# Altium PCB fMAX_MB.PcbDoc (part 5 of 13)
Units mil, origin at the board's own origin, x right, y up, seen from the top; angles counter-clockwise.
Board outline 9175 x 6300 mil, 14 copper layers (TopLayer, Gnd1, MidLayer1, Power1, MidLayer4, Power2, MidLayer2, Power3, MidLayer3, Gnd3, MidLayer6, Gnd2, MidLayer5, BottomLayer); 679 components, 896 nets, 4133 pads, 2341 vias.
Unrouted connection lines stored in the file: 4.
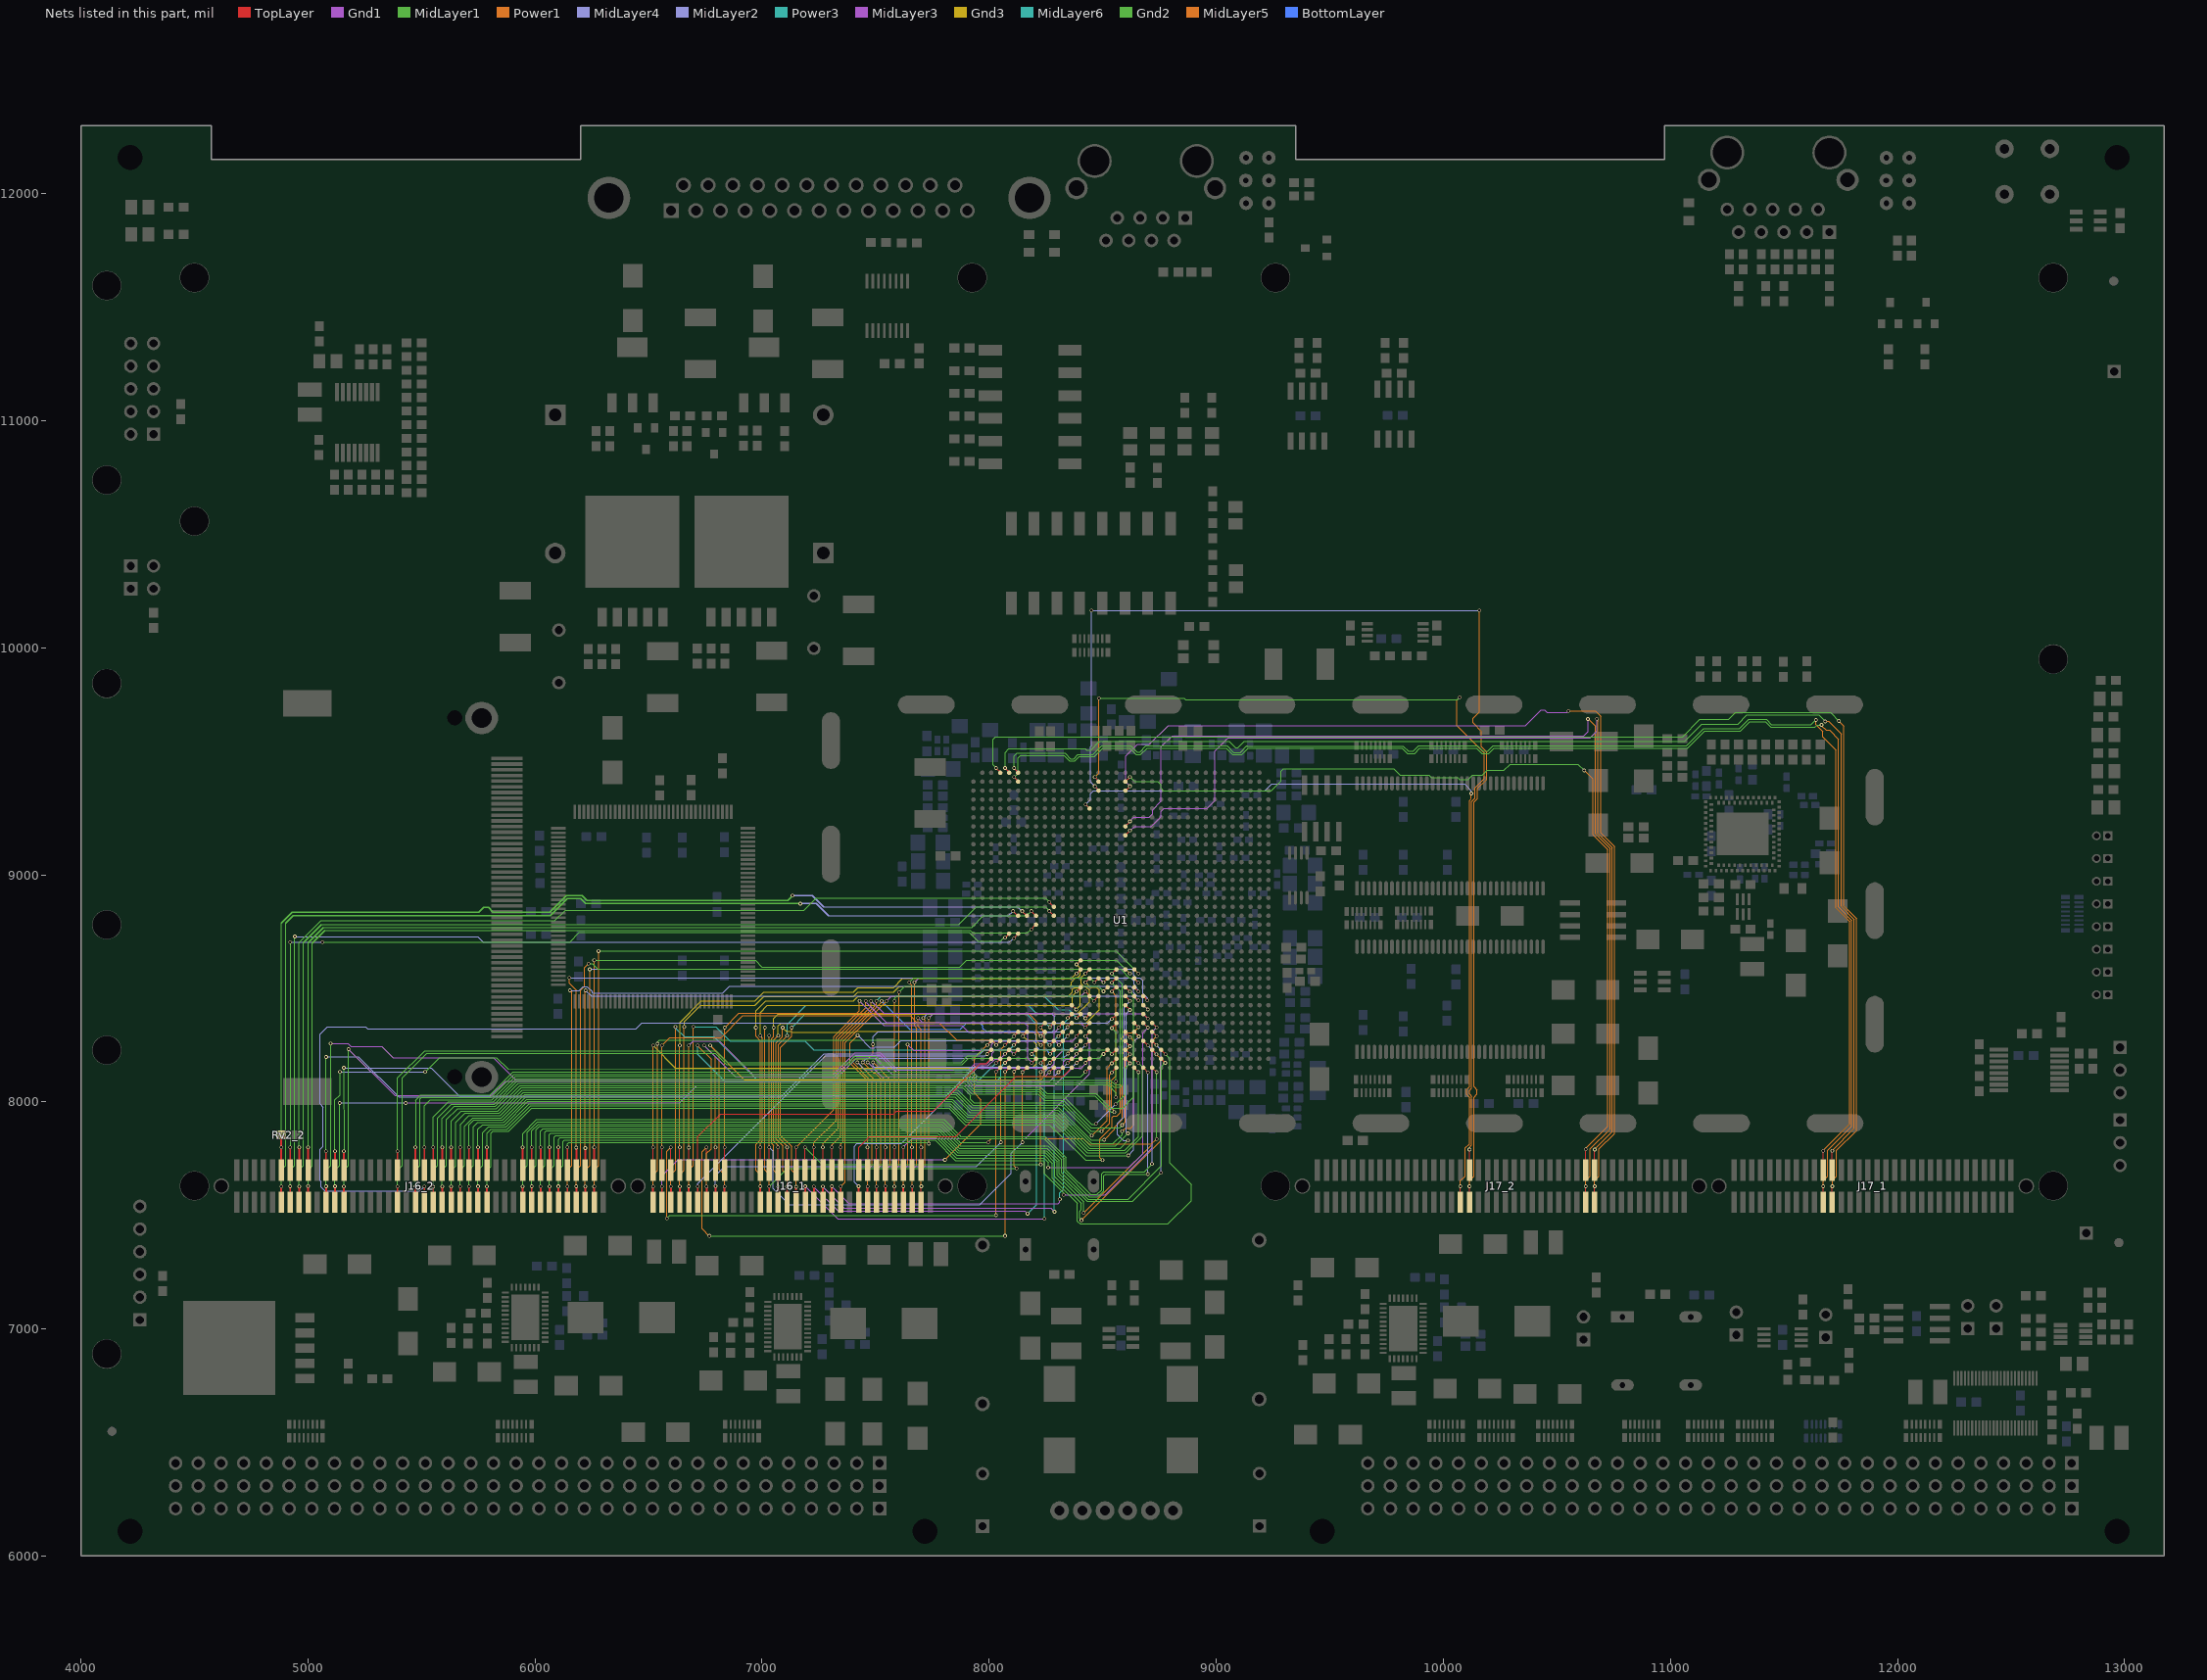
[diagram p17: the nets of this part, all layers, seen from the top]

## Via types
v1: diameter 16, hole 10, TopLayer to BottomLayer, tented both sides, 2192 vias
v2: diameter 36, hole 20, TopLayer to BottomLayer, tented both sides, 84 vias
v3: diameter 20, hole 10, TopLayer to BottomLayer, tented both sides, 61 vias
v4: diameter 160, hole 125, TopLayer to BottomLayer, tented both sides, 4 vias

## Nets (pads, with @x,y where several pads share a name; then routed paths per layer and width w, separated by ;. In a path a pad name is that pad's centre, name@x,y a point inside that pad or via, vN(x,y) a via of type N, cw(c..) or ccw(c..) an arc to the next point about the centre after c; other vN are vias at no path point) (continued)
M1_COMB1_DATA10: J16_2.59 U1.AB32 | length 4103
  TopLayer w5: v1@8384,8211 8402.13,8229.13 U1.AB32@8402.83,8229.13
  TopLayer w8: J16_2.59@5158.27,7558.27 v1(5158.27,7627.73)
  MidLayer1 w5: v1(5158.27,7627.73) 5158.27,7699.73 5179,7720.46 v1(5179,8232)
  MidLayer3 w5: v1(5179,8232) 5383.44,8027.56 5807.09,8027.56 5870.08,8090.55 8267.72,8090.55 8287.4,8110.24 8287.4,8137.8 8299.21,8149.61 8314.96,8149.61 8326.77,8161.42 8326.77,8177.17 8338.58,8188.98 8366.14,8188.98 8384.64,8207.48 v1(8384.64,8211.64)
M1_COMB1_DATA11: J16_2.60 U1.AB33 | length 3814.6
  TopLayer w5: v1(8386,8172) 8402.83,8188.83 U1.AB33@8402.83,8189.76
  TopLayer w8: J16_2.60@5158.27,7700 v1(5158.27,7783)
  MidLayer1 w5: v1(5158,8150) v1(5158.27,7783)
  MidLayer2 w5: v1(5158,8150) 5543,8150 5667,8026 7808.94,8026 7935.94,8153 8367,8153 v1(8386,8172)
M1_COMB1_DATA12: J16_2.61 U1.AA33 | length 3830.4
  TopLayer w5: v1(8425,8172) 8442.2,8189.2 U1.AA33@8442.2,8189.76
  TopLayer w8: J16_2.61@5118.9,7558.27 v1(5118.9,7627.9)
  MidLayer1 w5: v1(5118.9,7627.9) 5118.9,7698.9 5140,7720 v1(5140,7995)
  MidLayer2 w5: v1(5140,7995) v1(5431,7995)
  MidLayer3 w5: v1(5431,7995) 6636.73,7995 6712.6,8070.87 8287.4,8070.87 8366.14,8149.61 8405.51,8149.61 8425,8169.09 v1(8425,8172)
M1_COMB1_DATA13: J16_2.62 U1.AA34 | length 3817.5
  TopLayer w5: v1(8424,8132) 8442.2,8150.2 U1.AA34@8442.2,8150.39
  TopLayer w8: J16_2.62@5118.9,7700 v1(5118.9,7783)
  MidLayer1 w5: v1(5118.9,7783) 5118.9,8008.9 5141,8031 v1(5141,8132) ; v1@5516.84,8131.16 5579,8194 5830,8194 5881,8144 7844,8143 7851,8143 7916,8143 7948,8111 8403,8111 v1(8424,8132)
  MidLayer2 w5: v1(5141,8132) v1@5515.69,8132
  other v1: 5515.84,8132.16
M1_COMB1_DATA14: J16_2.63 U1.AB31 | length 4220.5
  TopLayer w5: v1@8384,8250 8402.5,8268.5 U1.AB31@8402.83,8268.5
  TopLayer w8: J16_2.63@5080,7558.27 v1(5080,7628)
  MidLayer1 w5: v1(5080,7628) 5080,7700 5100,7720 v1(5100,8257)
  MidLayer3 w5: v1(5100,8257) 5177,8257 5190,8244 5326,8244 5375.28,8194.72 5817.09,8194.72 5911.26,8100.55 7322.99,8100.55 7417.17,8194.72 7498.19,8194.72 7571.91,8121 7917.26,8121 7945.87,8149.61 8267.72,8149.61 8287.4,8169.29 8287.4,8188.98 8326.77,8228.35 8366.14,8228.35 8385,8247.2 v1(8385,8251)
M1_COMB1_DATA15: J16_2.64 U1.AA31 | length 4035.1
  TopLayer w5: v1(8425,8251) 8442.2,8268.2 U1.AA31@8442.2,8268.5
  TopLayer w8: J16_2.64@5079.53,7700 v1(5079.53,7783.01)
  MidLayer1 w5: v1(5079.53,7783.01) v1@5079.53,8197.47
  MidLayer4 w5: v1(5080,8198) 5224,8198 ; 5224,8197.43 5399.77,8021.65 7082.68,8021.65 7273.78,8212.76 7961.77,8212.76 7969.65,8220.63 7969.65,8221 7979.65,8231 8405,8231 v1(8425,8251)
M1_COMB1_S0: J16_2.47 U1.W32 | length 3778.3
  TopLayer w5: v1(8503,8211) 8520.94,8228.94 U1.W32@8520.94,8229.13
  TopLayer w8: J16_2.47@5394.49,7558.27 v1(5394.49,7627.49)
  MidLayer1 w5: v1(5394.49,7627.49) 5394.49,7699.49 5415,7720 5415,8106 5523,8214 6793,8214 6815,8192 6815,8191.89 6843.26,8163.63 7387.05,8163.63 7387.05,8165.59 7411.42,8189.96 7495.08,8189.96 7521.68,8163.36 7880.88,8163.36 7909.52,8192 8484,8192 v1(8503,8211)
M1_COMB1_S1: J16_2.48 U1.V32 | length 3702.9
  TopLayer w5: v1(8540,8210) 8559.13,8229.13 U1.V32@8560.32,8229.13
  TopLayer w8: J16_2.48@5394.49,7700 v1(5394.49,7783.01)
  MidLayer1 w5: v1(5394.49,7783.01) 5394.49,8105.49 5515.75,8224.41 6797.04,8224.1 6847.52,8173.63 7380.32,8173.63 7407.48,8200.79 7498.39,8200.79 7525.82,8173.36 7876.12,8173.36 7904.76,8202 7946.09,8202 7972.44,8228.35 8523.62,8228.35 8540,8211.97 v1(8540,8210)
M1_COMB2_DATA0: J16_2.29 U1.T33 | length 3749.3
  TopLayer w5: U1.T33@8639.06,8189.76 8639.06,8188.94 v1(8657,8171)
  TopLayer w8: J16_2.29@5748.82,7558.27 v1(5748.82,7627.82)
  MidLayer1 w5: v1(5748.82,7627.82) 5748.82,7699.82 5769,7720 5769,7864 5795,7890 5873,7890 5975,7992 7830.26,7992 7901.26,7921 8286,7921 8432,7775 8601,7775 8675,7849 8675,8153 v1(8657,8171)
M1_COMB2_DATA1: J16_2.30 U1.T34 | length 3565
  TopLayer w5: U1.T34@8639.06,8150.39 8639.06,8149.94 v1(8658,8131)
  TopLayer w8: J16_2.30@5748.82,7700 v1(5748.82,7799.82)
  MidLayer1 w5: v1(5748.82,7799.82) 5748.82,7878.82 5770,7900 5867,7900 5969,8002 7834.4,8002 7903.4,7933 8289,7933 8436,7786 8597,7786 8658,7847 v1(8658,8131)
M1_COMB2_DATA2: J16_2.31 U1.U26 | length 4074
  TopLayer w5: U1.U26@8599.69,8465.31 v1(8620,8445)
  TopLayer w8: J16_2.31@5709.45,7558.27 v1(5709.45,7627.55)
  MidLayer1 w5: v1(5709.45,7627.55) 5709.45,7699.55 5729,7719.1 5729,7891 5748,7910 5862,7910 5964,8012 7838.54,8012 7907.54,7943 8295.57,7943 8442.57,7796 8577,7796 v1(8611,7830)
  MidLayer2 w5: v1(8611,7830) 8591.26,7830 8564.96,7856.3 8564.96,7904.53 8584.58,7924.14 8585,7924.14 8594,7933.14 8594,8419 v1(8620,8445)
M1_COMB2_DATA3: J16_2.32 U1.U27 | length 3847.2
  TopLayer w5: U1.U27@8599.69,8425.98 8599.69,8425.31 v1(8620,8405)
  TopLayer w8: J16_2.32@5709.45,7700 v1(5709.45,7799.55)
  MidLayer1 w5: v1(5709.45,7799.55) 5709.45,7898.31 5731.14,7920 5857,7920 5959,8022 7848.54,8022 7848.54,8021.46 7899.54,7970.46 7899.54,7969.46 7916,7953 8299.72,7953 8446.72,7806 8556,7806 v1(8611,7861)
  MidLayer2 w5: v1(8611,7861) 8604,7868 8604,8389 v1(8620,8405)
M1_COMB2_DATA4: J16_2.33 U1.U30 | length 3904.7
  TopLayer w5: U1.U30@8599.69,8307.87 8599.69,8305.31 v1(8620,8285)
  TopLayer w8: J16_2.33@5670.08,7558.27 v1(5670.08,7626.92)
  MidLayer1 w5: v1(5670.08,7626.92) 5670.08,7699.08 5690,7719 5690,7893 5727,7930 5852,7930 5954,8032 7852.72,8032 7920,7964 8302.86,7964 8450.86,7816 8546.31,7816 8585.63,7855.31 v1(8585.63,7871.06)
  MidLayer5 w5: v1(8585.63,7871.06) 8599.41,7884.84 8622.05,7884.84 8637,7899.8 8637,8268 v1(8620,8285)
M1_COMB2_DATA5: J16_2.34 U1.U31 | length 3672.5
  TopLayer w5: U1.U31@8599.69,8268.5 8599.69,8265.31 v1(8620,8245)
  TopLayer w8: J16_2.34@5670.08,7700 v1(5670.08,7799.92)
  MidLayer1 w5: v1(5670.08,7799.92) 5670,7900 5710,7940 5847,7940 5949,8042 7856.86,8042 7923.86,7975 8306,7975 8448,7833 v1(8506,7833)
  MidLayer5 w5: v1(8506,7833) 8552,7879 8552,7888.61 8587,7923.61 8587,8212 v1(8620,8245)
M1_COMB2_DATA6: J16_2.35 U1.V33 | length 3687.2
  TopLayer w5: v1(8540,8170) 8540.55,8170 U1.V33@8560.32,8189.76
  TopLayer w8: J16_2.35@5630.71,7558.27 v1(5630.71,7627.29)
  MidLayer1 w5: v1(5630.71,7627.29) 5630.71,7698.29 5650,7717.58 5650,7909 5691,7950 5842,7950 5944,8052 7861,8052 7928,7985 8318,7985 v1(8452,7851)
  MidLayer5 w5: v1(8452,7851) 8520,7919 8520,8150 v1(8540,8170)
M1_COMB2_DATA7: J16_2.36 U1.V34 | length 3536.2
  TopLayer w5: v1@8540,8130.08 U1.V34@8560.32,8150.39
  TopLayer w8: J16_2.36@5630.71,7700 v1(5630.71,7799.71)
  MidLayer1 w5: v1(5630.71,7799.71) 5631,7916 5675,7960 5837,7960 5939,8062 7883.86,8062 7917,8028 7917,8011 7932,7996 8239.43,7996 8324,7996 8449,7871 v1(8495,7871)
  MidLayer5 w5: v1(8495,7871) 8530,7906 8530,8120 v1(8540,8130)
M1_COMB2_DATA8: J16_2.37 U1.U32 | length 3844.5
  TopLayer w5: U1.U32@8599.69,8229.13 8600.87,8229.13 v1(8620,8210)
  TopLayer w8: J16_2.37@5591.34,7558.27 v1(5591.34,7627.66)
  MidLayer1 w5: v1(5591.34,7627.66) 5591.34,7699.66 5611,7719.32 5611,7922 5659,7970 5831,7970 5933,8072 7888,8072 7925,8035 8214.57,8035 8242.57,8007 8328.63,8007 8448.63,7887 8574.99,7887 v1(8585.63,7897.64)
  MidLayer5 w5: v1(8585.63,7897.64) 8599,7911.01 8599,8189 v1(8620,8210)
M1_COMB2_DATA9: J16_2.38 U1.U33 | length 3603.1
  TopLayer w5: U1.U33@8599.69,8189.76 8600.24,8189.76 v1(8620,8170)
  TopLayer w8: J16_2.38@5591.34,7700 v1(5591.34,7799.66)
  MidLayer1 w5: 5591,7926 5645,7980 5826,7980 5928,8082 7892.15,8082 7929.15,8045 8218.72,8045 8246.72,8017 8333.39,8017 8449.8,7900.59 8467.59,7900.59 v1(8470,7903) ; v1(5591.34,7799.66) 5591.34,7925.66 ; v1(8556,7989) 8600,8033 8600,8150 v1(8620,8170)
  MidLayer4 w5: v1(8470,7903) v1(8556,7989)
M1_COMB2_DATA10: J16_2.39 U1.V25 | length 4061.8
  TopLayer w5: v1(8539.67,8485.89) 8558.5,8504.72 U1.V25@8560.32,8504.72
  TopLayer w8: J16_2.39@5551.97,7558.27 v1(5551.97,7626.03)
  MidLayer1 w5: v1(5551.97,7626.03) 5551.97,7699.97 5571,7719 5571,7930 5631,7990 5821,7990 5923,8092 7896.29,8092 7933.29,8055 8222.86,8055 8250.86,8027 8465,8027 8524,7968 8537,7955 v1(8551,7955)
  MidLayer5 w5: v1(8539.67,8485.89) 8540.11,8485.89 8559,8467 8559,8114 8540,8095 8540,7975 v1(8551,7955)
M1_COMB2_DATA11: J16_2.40 U1.U25 | length 3960.3
  TopLayer w5: U1.U25@8599.69,8504.72 8600.28,8504.72 v1(8620,8485)
  TopLayer w8: J16_2.40@5551.97,7700 v1(5551.97,7799.97)
  MidLayer1 w5: v1(5551.97,7799.97) 5552,7933 5619,8000 5816,8000 5918,8102 7900.43,8102 7937.43,8065 8227,8065 8255,8037 8471,8037 8535,7973 8588,7973 8637,8022 8637,8468 v1(8620,8485)
M1_COMB2_DATA12: J16_2.41 U1.V28 | length 4779.7
  TopLayer w5: v1(8540,8365) 8560.32,8385.32 U1.V28@8560.32,8386.61
  TopLayer w8: J16_2.41@5512.6,7558.27 v1(5512.6,7627.4)
  MidLayer2 w5: v1(5512.6,7627.4) 5492.2,7607 5075,7607 5058,7624 5058,7648 5053,7653 5053,7791 5067,7805 5067,7977 5053,7991 5053,8299 5085,8331 5253,8331 5262,8322 6445,8322 6470,8347 8522,8347 v1(8540,8365)
M1_COMB2_DATA13: J16_2.42 U1.V29 | length 3776.5
  TopLayer w5: v1(8540,8325) 8560.32,8345.32 U1.V29@8560.32,8347.24
  TopLayer w8: J16_2.42@5512.6,7700 v1(5512.6,7799.6)
  MidLayer1 w5: v1(5512.6,7799.6) 5512.6,7983.6 5539,8010 5811,8010 5913,8112 7904.57,8112 7941.57,8075 8524,8075 8559,8040 v1(8559,8020) ; v1(8540,8325) 8559,8306 v1(8559,8091)
  MidLayer5 w5: v1(8559,8020) v1(8559,8091)
M1_COMB2_DATA14: J16_2.43 U1.V23 | length 4167
  TopLayer w5: v1(8540,8565) 8558.46,8583.46 U1.V23@8560.32,8583.46
  TopLayer w8: J16_2.43@5473.23,7558.27 v1(5473.23,7627.23)
  MidLayer1 w5: v1(5473.23,7627.23) 5473.23,7699.77 5493,7719.54 5493,8012.86 5500.14,8020 5806,8020 5908,8122 7908.72,8122 7945.72,8085 8528.86,8085 8549.33,8064.53 8575.53,8064.53 8587,8076 8587,8518 v1(8540,8565)
M1_COMB2_DATA15: J16_2.44 U1.V24 | length 3976.4
  TopLayer w5: v1(8540,8525) 8559.09,8544.09 U1.V24@8560.32,8544.09
  TopLayer w8: J16_2.44@5473.23,7700 v1(5473.23,7799.77)
  MidLayer1 w5: v1(5473.23,7799.77) 5473,8007 5496,8030 5801,8030 5903,8132 7912.86,8132 7949.86,8095 8533,8095 8553,8075 8571,8075 8577,8081 8577,8488 v1(8540,8525)
M1_COMB2_S0: J16_2.27 U1.T29 | length 3851.6
  TopLayer w5: U1.T29@8639.06,8347.24 8639.06,8346.94 v1(8657,8329)
  TopLayer w8: J16_2.27@5788.19,7558.27 v1(5788.19,7627.81)
  MidLayer1 w5: v1(5788.19,7627.81) 5788.19,7698.81 5806,7716.62 5806,7862 5814,7870 5883,7870 5985,7972 7821.97,7972 7893.97,7900 8266,7900 8321,7845 8424,7744 v1(8499,7744)
  MidLayer5 w5: v1(8499,7744) 8488,7755 8488,7837 8508.8,7857.94 8542,7891.14 8542,7931 8548,7937 8562,7937 8577,7952 8577,8274 8607,8304 8632,8304 v1(8657,8329)
M1_COMB2_S1: J16_2.28 U1.T30 | length 3697.9
  TopLayer w5: U1.T30@8639.06,8307.87 U1.T30@8639.06,8307.87 v1(8659,8288)
  TopLayer w8: J16_2.28@5788.19,7700 v1(5788.19,7799.81)
  MidLayer1 w5: v1(5788.19,7799.81) 5788.19,7862.19 5806,7880 5878,7880 5980,7982 7826.12,7982 7897.12,7911 8280,7911 8336,7855 8426,7764 v1(8612,7764)
  MidLayer2 w5: v1(8612,7764) 8637,7789 8637,8266 v1(8659,8288)
M1_COMB3_DATA0: J16_1.23 U1.AC28 | length 1962.8
  TopLayer w5: v1(8346,8369) 8363.46,8386.46 U1.AC28@8363.46,8386.61
  TopLayer w8: J16_1.23@7306.93,7558.27 v1(7306.93,7627.93)
  MidLayer3 w5: v1(7306.93,7627.93) 7306.93,7627.07 7381.89,7551.18 8303.15,7551.18 8311.02,7559.06 v1(8311.02,7570.87)
  MidLayer6 w5: v1@8311.02,7566.93 8311.02,7598.43 8326.77,7614.17 8326.77,8346.46 8346,8365.68 v1(8346,8369)
M1_COMB3_DATA1: J16_1.24 U1.AB28 | length 1778.8
  TopLayer w5: J16_1.24@7306.93,7700 v1(7306.93,7799.93) ; v1(8385,8369) 8402.61,8386.61 U1.AB28@8402.83,8386.61
  MidLayer5 w5: v1(7306.93,7799.93) 7306.93,7809.88 7346,7848.95 7346,8272.18 7503.94,8430.12 v1@7503.94,8442.91
  MidLayer6 w5: v1(7503.94,8444.88) 7523.62,8464.57 8244.09,8464.57 8303.15,8405.51 8350.39,8405.51 v1@8385.83,8370.08
M1_COMB3_DATA2: J16_1.25 U1.AD30 | length 1943.8
  TopLayer w5: v1(8305,8289) 8323.87,8307.87 U1.AD30@8324.09,8307.87
  TopLayer w8: J16_1.25@7267.56,7558.27 v1(7267.56,7627.44)
  MidLayer3 w5: v1(7267.56,7627.44) 7267.56,7625.44 7362.2,7531.5 8271.65,7531.5 v1(8287.4,7515.75)
  MidLayer6 w5: v1(8287.4,7515.75) 8287.4,8271.65 8304.75,8289 v1(8305,8289)
M1_COMB3_DATA3: J16_1.26 U1.AD31 | length 1827.5
  TopLayer w5: J16_1.26@7267.56,7700 v1(7267.56,7799.56) ; v1(8307,8251) 8324.09,8268.09 U1.AD31@8324.09,8268.5
  Gnd1 w5: v1(7480.31,8444.88) 7535.43,8389.76 8275.59,8389.76 8287.4,8377.95 8287.4,8271.65 8307,8252.06 v1(8307,8251)
  MidLayer5 w5: v1(7267.56,7799.56) 7267.56,7816.24 7336,7884.69 7336,8276.94 7480.31,8421.26 v1(7480.31,8444.88)
M1_COMB3_DATA4: J16_1.27 U1.AG32 | length 1815.2
  TopLayer w5: v1(8188,8211) 8205.98,8228.98 U1.AG32@8205.98,8229.13
  TopLayer w8: J16_1.27@7228.19,7558.27 v1(7228.19,7627.19)
  MidLayer3 w5: v1(7228.19,7627.19) 7228.19,7625.81 7334.65,7519.69 8157.48,7519.69 v1(8169.29,7507.87)
  MidLayer6 w5: v1(8169.29,7507.87) 8208.66,7547.24 8208.66,8192.91 8190.57,8211 v1(8188,8211)
M1_COMB3_DATA5: J16_1.28 U1.AG33 | length 1797.8
  TopLayer w5: J16_1.28@7228.19,7700 v1(7228.19,7799.81) ; v1(8187,8171) 8205.76,8189.76 U1.AG33@8205.98,8189.76
  Gnd1 w5: v1(7456.69,8444.88) 7456.69,8440.94 7547.24,8350.39 8153.54,8350.39 8169.29,8334.65 8169.29,8192.91 8187,8175.2 v1(8187,8171)
  MidLayer5 w5: v1(7228.19,7799.81) 7228.19,7820.34 7326,7918.15 7326,8282.69 7456.69,8413.39 v1(7456.69,8444.88)
M1_COMB3_DATA6: J16_1.29 U1.AF33 | length 1904.3
  TopLayer w5: v1(8227,8171) 8245.35,8189.35 U1.AF33@8245.35,8189.76
  TopLayer w8: J16_1.29@7190,7558.27 v1(7190,7628)
  MidLayer3 w5: v1(7190,7628) 7190,7627 7333,7484 v1(8244.09,7484.25)
  MidLayer6 w5: v1(8227,8171) 8227,8166.7 8244.09,8149.61 v1(8244.09,7484.25)
M1_COMB3_DATA7: J16_1.30 U1.AF34 | length 1602.7
  TopLayer w5: J16_1.30@7188.82,7700 v1@7188.82,7799.18 ; v1(8227,8132) U1.AF34@8245.35,8150.39
  MidLayer1 w5: v1(7189,7800) 7265,7724 v1(8227,7724)
  MidLayer5 w5: v1(8227,7724) v1(8227,8132)
M1_COMB3_DATA8: J16_1.31 U1.AE29 | length 2027.5
  TopLayer w5: v1(8267,8329) 8284.72,8346.72 U1.AE29@8284.72,8347.24
  TopLayer w8: J16_1.31@7149.45,7558.27 v1(7149.45,7626.45)
  MidLayer5 w5: v1(7129.92,8326.77) 7129.92,8288.39 7081.34,8239.8 7081.34,7851.73 7130,7803.07 7130,7698 7149.45,7678.55 v1(7149.45,7626.45)
  MidLayer6 w5: v1(7129.92,8326.77) 7188.98,8385.83 8165.35,8385.83 8204.72,8346.46 8249.02,8346.46 8266.47,8329 v1(8267,8329)
M1_COMB3_DATA9: J16_1.32 U1.AD29 | length 1833
  TopLayer w5: J16_1.32@7149.45,7700 v1(7149.45,7799.45) ; v1@8305,8328 8324.09,8347.09 U1.AD29@8324.09,8347.24
  MidLayer3 w5: v1(7429.13,8444.88) 7537.02,8337 7878.55,8337 7908.46,8307.09 8288.39,8307.09 8305.42,8324.12 v1(8305.42,8328.42)
  MidLayer5 w5: v1(7149.45,7799.45) 7150.05,7799.45 7316,7965.39 7316,8287.46 7429.13,8400.59 v1(7429.13,8444.88)
M1_COMB3_DATA10: J16_1.33 U1.AF31 | length 2014.2
  TopLayer w5: v1(8227,8250) 8245.35,8268.35 U1.AF31@8245.35,8268.5
  TopLayer w8: J16_1.33@7110.08,7558.27 v1(7110.08,7627.08)
  MidLayer5 w5: v1(7090.55,8326.77) 7090.55,8287.4 7061.34,8258.19 7061.34,7836.3 7091,7806.64 7091,7696 7110.08,7676.92 v1(7110.08,7627.08)
  Gnd3 w5: v1(7090.55,8326.77) 7106.3,8311.02 7127.09,8311.02 7131.03,8307.09 7409.45,8307.09 7413.39,8311.02 8062.99,8311.02 8066.93,8307.09 8196.85,8307.09 8208.66,8295.28 8208.66,8268.34 v1(8227,8250)
M1_COMB3_DATA11: J16_1.34 U1.AE31 | length 2097
  TopLayer w5: J16_1.34@7110.08,7700 v1(7110.08,7799.92) ; v1(8266,8250) 8284.5,8268.5 U1.AE31@8284.72,8268.5
  MidLayer5 w5: v1@7110,8290 v1@7110.08,8289.92 ; v1(7110.08,7799.92) 7110.08,7803.31 7071.34,7842.05 7071.34,8252.44 v1(7110.24,8291.34)
  MidLayer6 w5: v1(7110.24,8291.34) 7110.24,8341.54 7193.9,8425.2 8173.23,8425.2 8211.61,8386.81 8276.57,8386.81 8288.39,8375 8288.39,8319.88 8275.59,8307.09 8256.89,8307.09 8244.35,8294.54 8244.35,8271.65 v1(8266,8250)
M1_COMB3_DATA12: J16_1.35 U1.AA23 | length 2421.6
  TopLayer w5: v1(8424,8565) 8442.2,8583.2 U1.AA23@8442.2,8583.46
  TopLayer w8: J16_1.35@7070.71,7558.27 v1(7070.71,7627.29)
  MidLayer5 w5: v1(7051.18,8326.77) 7051.18,8287.4 7041.34,8277.56 7041.34,7817.91 7051,7808.25 7051,7699 7070.71,7679.29 v1(7070.71,7627.29)
  Gnd3 w5: v1(7051.18,8326.77) 7051.18,8366.14 7070.87,8385.83 8385.83,8385.83 8440.94,8440.94 8440.94,8492.13 8425.2,8507.87 8417.32,8507.87 8405.51,8519.68 8405.51,8547.24 ; 8406.24,8547.24 v1(8424,8565)
M1_COMB3_DATA13: J16_1.36 U1.AA24 | length 2280.1
  TopLayer w5: J16_1.36@7070.71,7700 v1(7070.71,7799.71) ; v1(8424,8526) 8442.09,8544.09 U1.AA24@8442.2,8544.09
  MidLayer5 w5: v1(7070.71,7799.71) 7070.71,7808.23 7051.34,7827.6 7051.34,8271.81 v1(7070.87,8291.34)
  Gnd3 w5: v1(7070.87,8291.34) 7070.87,8334.65 7082.68,8346.46 8425.2,8346.46 8484.25,8405.51 8484.25,8492.13 8471.26,8505.12 8444.88,8505.12 v1(8424,8526)
M1_COMB3_DATA14: J16_1.37 U1.AJ34 | length 2356.4
  TopLayer w5: v1(8110,8133) 8127.24,8150.24 U1.AJ34@8127.24,8150.39
  TopLayer w8: J16_1.37@7031.34,7558.27 v1(7031.34,7627.66)
  MidLayer1 w5: v1(7031.34,7627.66) 7110.68,7707 v1(8121,7707)
  MidLayer5 w5: v1@7012,8329 7012,7700 7031.34,7680.66 v1(7031.34,7627.66) ; v1(8110,8133) 8110,7718 v1(8121,7707)
  other v1: 7011.81,8326.77
M1_COMB3_DATA15: J16_1.38 U1.AH34 | length 2401.4
  TopLayer w5: J16_1.38@7031.34,7700 v1(7031.34,7799.66) ; v1(8147,8131) 8166.39,8150.39 U1.AH34@8166.61,8150.39
  MidLayer2 w5: v1(7031.34,7799.66) 7049,7782 ; 7049.21,7780.51 7049.21,7619.09 7120.08,7548.23 7958.66,7548.23 8096.46,7686.02 8096.46,7772.79 v1@8145.67,7822
  MidLayer5 w5: v1(7031.34,7799.66) v1@7031.34,8289.34 ; v1@8147,7823 v1(8147,8131)
  other v1: 8147,7822 7031.5,8291.34
M1_COMB3_S0: J16_1.39 U1.AC27 | length 2470.7
  TopLayer w5: U1.AC27@8363.46,8425.98 8363.46,8425.46 v1(8383,8407)
  TopLayer w8: J16_1.39@6991.97,7558.27 v1(6991.97,7627.97)
  MidLayer5 w5: v1(6972.44,8326.77) 6972.44,8288.39 6992,8268.83 6992,7831.57 6973,7812.57 6973,7698 6991.97,7679.03 v1(6991.97,7627.97)
  Gnd3 w5: v1(6972.44,8326.77) 6972.44,8401.57 7015.75,8444.88 7401.57,8444.88 7421.26,8464.57 8346.46,8464.57 8366.14,8484.25 8366.14,8496.06 8374.02,8503.94 8389.76,8503.94 8401.57,8492.13 8401.57,8425.57 v1(8383,8407)
M1_COMB3_S1: J16_1.40 U1.AB25 | length 2176.8
  TopLayer w5: J16_1.40@6991.97,7700 v1(6991.97,7799.97) ; v1(8385,8486) 8402.83,8503.83 U1.AB25@8402.83,8504.72
  MidLayer5 w5: v1(6991.97,7799.97) 6991.97,7816.77 7002,7826.8 7002,8281.47 v1(6992.13,8291.34)
  Gnd3 w5: v1(6992.13,8291.34) 6992.13,8393.7 7023.62,8425.2 8354.33,8425.2 8366.14,8437.01 8366.14,8467.14 v1(8385,8486)
M1_COMB4_DATA0: J16_1.3 U1.AA28 | length 1577.4
  TopLayer w5: J16_1.3@7700.63,7558.27 v1(7701,7628) ; v1(8424,8368) 8442.2,8386.2 U1.AA28@8442.2,8386.61
  MidLayer2 w5: v1(7710,8369) 7729,8388 8404,8388 v1(8424,8368)
  MidLayer5 w5: v1(7701,7628) 7701,7700 7718,7717 7718,8353 7718,8361 v1(7710,8369)
M1_COMB4_DATA1: J16_1.4 U1.AA29 | length 1455
  TopLayer w5: J16_1.4@7700.63,7700 v1(7700.63,7799.63) ; v1(8423,8328) U1.AA29@8442.2,8347.24
  MidLayer3 w5: v1(7687,8369) 7709,8347 8404,8347 v1(8423,8328)
  MidLayer5 w5: v1(7687,8369) 7687,8333 7691.74,8328.26 7692,8328.26 7700.63,8319.63 v1(7700.63,7799.63)
M1_COMB4_DATA2: J16_1.5 U1.W24 | length 1854.1
  TopLayer w5: v1(8503,8526) 8520.94,8543.94 U1.W24@8520.94,8544.09
  TopLayer w8: J16_1.5@7661.26,7558.27 v1(7661.26,7627.74)
  MidLayer3 w5: v1(7671,8526) 7691,8546 8483,8546 v1(8503,8526)
  MidLayer5 w5: v1(7661.26,7627.74) 7661.26,7699.74 7681,7719.48 7681,8324.86 7671,8334.86 v1(7671,8526)
M1_COMB4_DATA3: J16_1.6 U1.Y24 | length 1688.6
  TopLayer w5: J16_1.6@7660,7700 v1(7660,7800) ; v1(8463,8526) 8481.09,8544.09 U1.Y24@8481.57,8544.09
  MidLayer1 w5: v1(7648,8526) 7668,8546 8443,8546 v1(8463,8526)
  MidLayer5 w5: v1(7648,8526) 7660,8514 v1(7660,7800)
M1_COMB4_DATA4: J16_1.7 U1.AB30 | length 1517.2
  TopLayer w5: v1(8384,8289) U1.AB30@8402.83,8307.83
  TopLayer w8: J16_1.7@7621.89,7558.27 v1(7621.89,7627.89)